# Altium PCB CL-HC-M-V2.1.PcbDoc (part 15 of 19)
Units mil, origin at the board's own origin, x right, y up, seen from the top; angles counter-clockwise.
Board outline 27559.06 x 27559.06 mil, 2 copper layers (TopLayer, BottomLayer); 704 components, 528 nets, 2453 pads, 1851 vias.
Unrouted connection lines stored in the file: 126.
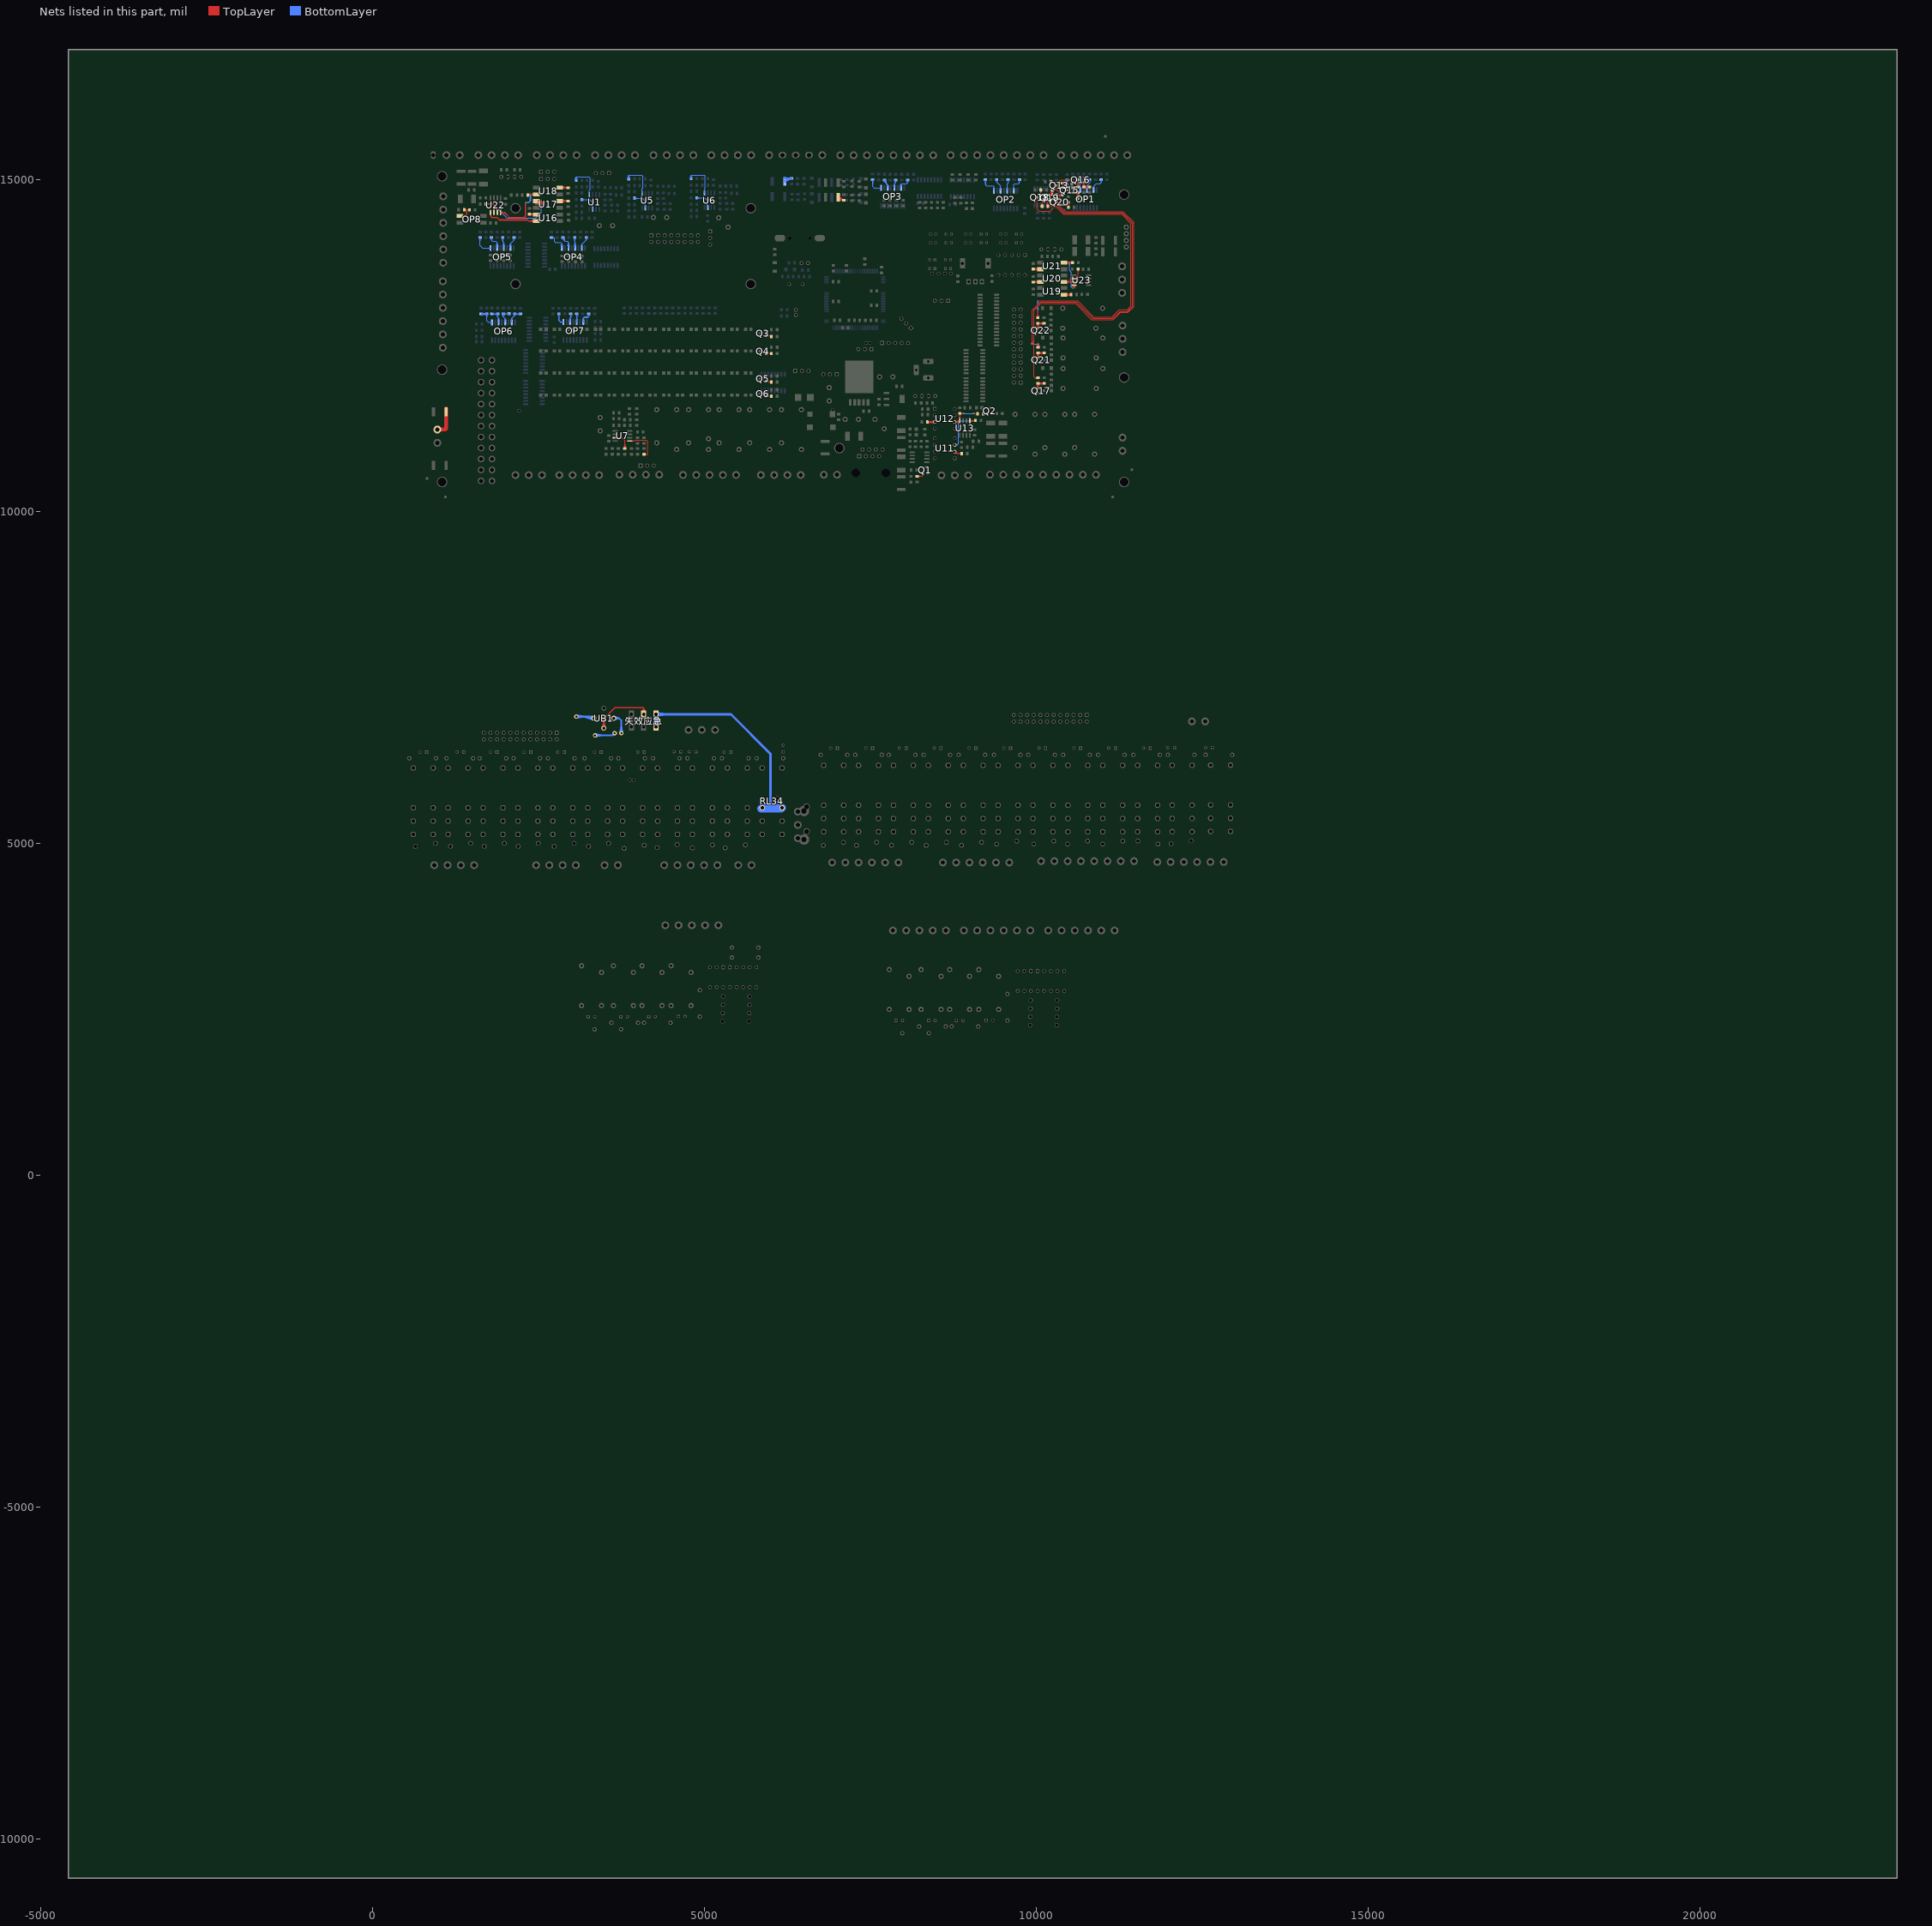
[diagram p15: the nets of this part, all layers, seen from the top]

## Via types
v1: diameter 25, hole 15, TopLayer to BottomLayer, tented both sides, 1813 vias
v2: diameter 20, hole 12, TopLayer to BottomLayer, tented both sides, 24 vias
v3: diameter 25, hole 15, TopLayer to BottomLayer, 13 vias
v4: diameter 40, hole 24, TopLayer to BottomLayer, tented both sides, 1 vias

## Nets (pads, with @x,y where several pads share a name; then routed paths per layer and width w, separated by ;. In a path a pad name is that pad's centre, name@x,y a point inside that pad or via, vN(x,y) a via of type N, cw(c..) or ccw(c..) an arc to the next point about the centre after c; other vN are vias at no path point) (continued)
NetF5_2: F5.2 R8.2 | length 733.1
  TopLayer w20: F5.2@7012.22,14722.38 R8.2@7102.76,14693.71 ; F5.2@7017.25,14691.73 7042.38,14693.71 ; F5.2@7017.25,14735.04 R8.2@7102.76,14693.71 ; F5.2@7019.89,14705.09 7042.38,14693.71 ; F5.2@7021.2,14719.53 R8.2@7097.76,14690.04 ; F5.2@7021.95,14678.94 7042.38,14693.71 ; F5.2@7024.04,14746.85 R8.2@7102.76,14693.71 ; F5.2@7024.66,14731.45 R8.2@7097.76,14690.04 ; F5.2@7029.13,14743.41 R8.2@7097.76,14690.04 ; R8.2@7102.76,14690.04 R8.2@7102.76,14693.71 ; 7042.38,14693.71 R8.2@7102.76,14693.71 ; 7042.38,14693.71 R8.2@7097.76,14690.04
NetF6_2: F6.2 R9.2 | length 839.2
  BottomLayer w20: F6.2@6202.45,15019.91 R9.2@6313.23,15019.91 ; F6.2@6206.55,14986.61 R9.2@6308.23,15019.91 ; F6.2@6206.65,14986.65 R9.2@6310.6,15019.91 ; F6.2@6218.1,14961.99 R9.2@6310.6,15019.91 ; F6.2@6218.23,14962.06 R9.2@6308.23,15019.91 ; F6.2@6228.23,15019.91 R9.2@6308.23,15019.91 ; R9.2@6308.23,15019.91 F6.2@6211.61,14973.96 R9.2@6310.6,15019.91
NetF16_2: F16.2 P23.2 | length 649
  TopLayer w60: P23.2@977.49,11235.5 1097.02,11235.5 1110.76,11249.24 F16.2@1110.76,11555.62 ; F16.2@1108.01,11460.11 1110.76,11256.47
NetOP1_1: OP1.1 R22.2 | length 463.9
  BottomLayer w15: R22.2@10454.14,14994.16 10463.86,14945.15 ; R22.2@10478.9,14992.79 10463.86,14945.15 ; OP1.1@10563.86,14843.5 10563.86,14895.66 ; 10463.86,14945.15 10498.96,14910.05 10549.47,14910.05 ; 10463.86,14945.15 10463.86,14998.5 R22.2@10466.61,14995.04 10463.86,14945.15 ; 10549.47,14910.05 10563.86,14895.66 ; 10549.47,14910.05 OP1.1@10563.86,14873.5 ; OP1.1@10563.86,14873.5 10563.86,14895.66 ; OP1.1@10563.86,14873.5 10563.86,14895.66
NetOP1_3: OP1.3 R20.2 | length 353.8
  BottomLayer w15: R20.2@10621.48,14996.79 10633.86,14952.81 ; R20.2@10646.24,14996.79 10633.86,14952.81 ; OP1.3@10663.86,14843.5 10663.86,14922.81 ; OP1.3@10663.86,14873.5 10663.86,14922.81 ; 10633.86,14952.81 10663.86,14922.81 ; 10633.86,14952.81 R20.2@10633.86,14998.5 10633.86,14952.81
NetOP1_5: OP1.5 R18.2 | length 354.4
  BottomLayer w15: OP1.5@10763.86,14843.5 10763.86,14908.5 ; OP1.5@10763.86,14873.5 10763.86,14908.5 ; R18.2@10792.31,14996.91 10804.71,14949.35 ; R18.2@10817.1,14996.91 10804.71,14949.35 ; 10763.86,14908.5 10804.71,14949.35 ; 10804.71,14949.35 R18.2@10804.71,14998.5 10804.71,14949.35
NetOP1_7: OP1.7 R10.2 | length 344.6
  BottomLayer w15: OP1.7@10863.86,14843.5 10863.86,14896.6 ; OP1.7@10863.86,14873.5 10863.86,14896.6 ; R10.2@10966.49,14996.68 10978.86,14955.49 ; R10.2@10978.86,14998.5 10978.86,14955.49 ; R10.2@10991.23,14996.68 10978.86,14955.49 ; 10863.86,14896.6 10905.95,14938.69 10962.07,14938.69 10978.86,14955.49
NetOP2_1: OP2.1 R30.2 | length 494.2
  BottomLayer w15: R30.2@9222.4,14997.3 9234.85,14933.5 ; R30.2@9247.29,14997.3 9234.85,14933.5 ; OP2.1@9362.76,14865.04 9364.85,14895.66 ; OP2.1@9364.85,14843.5 9364.85,14895.66 ; 9234.85,14933.5 R30.2@9234.85,14998.5 9234.85,14923.79 9248.59,14910.05 9350.46,14910.05 9364.85,14895.66
NetOP2_3: OP2.3 R28.2 | length 322.9
  BottomLayer w15: R28.2@9392.55,14996.25 9404.85,14963.75 ; R28.2@9417.14,14996.25 9404.85,14963.75 ; OP2.3@9462.76,14865.04 9464.85,14903.76 ; OP2.3@9464.85,14843.5 9464.85,14903.76 ; 9404.85,14963.75 R28.2@9404.85,14998.5 9404.85,14963.75 ; 9404.85,14963.75 9464.85,14903.76
NetOP2_5: OP2.5 R26.2 | length 317.9
  BottomLayer w15: OP2.5@9562.76,14865.04 9564.85,14925.06 ; R26.2@9563.29,14996.91 9575.69,14949.35 ; OP2.5@9564.85,14843.5 9564.85,14938.5 9575.69,14949.35 ; R26.2@9575.69,14998.5 9575.69,14949.35 ; R26.2@9588.09,14996.91 9575.69,14949.35
NetOP2_7: OP2.7 R24.2 | length 369.2
  BottomLayer w15: OP2.7@9662.76,14865.04 9664.85,14925.05 ; OP2.7@9664.85,14843.5 9664.85,14926.6 9676.94,14938.69 9733.05,14938.69 9749.85,14955.49 ; R24.2@9737.48,14996.68 9749.85,14955.49 ; R24.2@9749.85,14998.5 9749.85,14955.49 ; R24.2@9762.21,14996.68 9749.85,14955.49
NetOP3_1: OP3.1 R15.2 | length 365.2
  BottomLayer w15: R15.2@7523.19,14997.58 7535.63,14933.78 R15.2@7548.07,14997.58 ; R15.2@7535.63,14998.78 7535.63,14899.56 7557.95,14877.24 OP3.1@7662.38,14877.24
NetOP3_3: OP3.3 R37.2 | length 647.3
  BottomLayer w10: R37.2@7704.98,14988.19 7740.73,14943.58 ; R37.2@7717.81,14995.95 7740.73,14943.58 ; R37.2@7732.22,15000.11 7740.73,14943.58 ; OP3.3@7753.81,14902.09 7725.57,14958.74 ; OP3.3@7762.38,14877.24 7762.38,14921.94 7712.81,14971.5 ; OP3.3@7762.38,14907.24 7725.57,14958.74 ; OP3.3@7770.03,14913.68 7725.57,14958.74 ; 7712.81,14971.5 R37.2@7712.81,14995.95 ; 7712.81,14971.5 7727.09,14991.35 7712.81,14971.5 ; 7712.81,14971.5 7698.53,14991.35 7712.81,14971.5 ; 7712.81,14971.5 R37.2@7712.81,14995.95 ; 7712.81,14971.5 R37.2@7712.81,14995.95
NetOP3_5: OP3.5 R34.2 | length 332
  BottomLayer w10: OP3.5@7852.6,14909.35 7862.38,14930.97 ; OP3.5@7862.38,14877.24 7862.38,14930.97 ; OP3.5@7862.38,14907.24 7862.38,14930.97 ; R34.2@7868.02,14993.43 7882.81,14951.41 ; OP3.5@7872.15,14909.35 7862.38,14930.97 ; R34.2@7897.6,14993.43 7882.81,14951.41 ; 7862.38,14930.97 7882.81,14951.41 ; 7882.81,14951.41 R34.2@7882.81,14995.95 7882.81,14951.41
NetOP3_7: OP3.7 R32.2 | length 356
  BottomLayer w10: OP3.7@7952.61,14909.38 7962.38,14930.61 ; OP3.7@7962.38,14877.24 7962.38,14930.61 ; OP3.7@7962.38,14907.24 7962.38,14930.61 ; OP3.7@7972.14,14909.38 7962.38,14930.61 ; R32.2@8048.07,14993.18 8062.81,14955.33 ; R32.2@8062.81,14995.95 8062.81,14955.33 ; R32.2@8077.55,14993.18 8062.81,14955.33 ; 7962.38,14930.61 7971.32,14939.56 8047.04,14939.56 8062.81,14955.33
NetOP4_1: OP4.1 R53.2 | length 506.7
  BottomLayer w10: R53.2@2697.38,14128.36 2737.12,14128.36 ; R53.2@2702.38,14128.36 2737.12,14128.36 ; R53.2@2705.61,14113.71 2737.12,14128.36 ; R53.2@2705.61,14143 2737.12,14128.36 ; OP4.1@2842.85,14001.39 2852.76,14037.11 ; OP4.1@2852.76,13970.04 2852.76,14037.11 ; OP4.1@2852.76,14000.04 2852.76,14037.11 ; OP4.1@2862.67,14001.39 2852.76,14037.11 ; 2737.12,14128.36 2743.96,14121.51 2743.96,14068.57 2755.98,14056.55 2833.32,14056.55 2852.76,14037.11
NetOP4_3: OP4.3 R55.2 | length 664.3
  BottomLayer w10: R55.2@2859.46,14120.73 2893.86,14077.23 ; R55.2@2872.38,14128.36 2893.86,14077.23 ; R55.2@2886.86,14132.25 2893.86,14077.23 ; OP4.3@2942.82,14001.15 2952.76,14045.04 ; OP4.3@2952.76,13970.04 2952.76,14054.79 2936.17,14071.39 2899.7,14071.39 2867.38,14103.71 ; OP4.3@2952.76,14000.04 2952.76,14045.04 ; OP4.3@2962.7,14001.15 2952.76,14045.04 ; 2867.38,14103.71 R55.2@2867.38,14128.36 ; 2867.38,14103.71 2881.66,14123.79 2867.38,14103.71 ; 2867.38,14103.71 2853.09,14123.79 2867.38,14103.71 ; 2867.38,14103.71 R55.2@2867.38,14128.36 ; 2867.38,14103.71 R55.2@2867.38,14128.36
NetOP4_5: OP4.5 R17.2 | length 395.5
  BottomLayer w10: R17.2@3032.54,14126.11 3047.38,14078.36 R17.2@3062.21,14126.11 ; OP4.5@3042.82,14001.15 3052.76,14045.04 ; R17.2@3047.38,14128.36 3047.38,14061.91 3052.76,14056.52 OP4.5@3052.76,13970.04 ; OP4.5@3052.76,14000.04 3052.76,14045.04 ; OP4.5@3062.7,14001.15 3052.76,14045.04
NetOP4_7: OP4.7 R16.2 | length 328.9
  BottomLayer w10: OP4.7@3142.97,14002.09 3152.76,14024.4 ; OP4.7@3152.76,13970.04 3152.76,14024.4 ; OP4.7@3152.76,14000.04 3152.76,14024.4 ; OP4.7@3162.55,14002.09 3152.76,14024.4 ; R16.2@3207.74,14125.08 3222.38,14094.01 ; R16.2@3222.38,14128.36 3222.38,14094.01 ; R16.2@3237.01,14125.08 3222.38,14094.01 ; 3152.76,14024.4 3222.38,14094.01
NetOP5_1: OP5.1 R57.2 | length 532.3
  BottomLayer w10: R57.2@1607.54,14126.11 1622.38,14078.36 ; R57.2@1637.21,14126.11 1622.38,14078.36 ; OP5.1@1776.65,13960.1 1732.76,13970.04 OP5.1@1776.65,13979.98 ; OP5.1@1777.76,13970.04 1658.98,13970.04 1622.38,14006.64 R57.2@1622.38,14128.36 1622.38,14078.36
NetOP5_3: OP5.3 R65.2 | length 451.4
  BottomLayer w10: R65.2@1777.58,14127.11 1792.38,14083.74 ; R65.2@1792.38,14129.57 1792.38,14083.74 ; R65.2@1807.17,14127.11 1792.38,14083.74 ; OP5.3@1867.82,14001.15 1877.76,14045.04 ; OP5.3@1877.76,13970.04 1877.76,14049.38 1855.75,14071.39 1804.73,14071.39 1792.38,14083.74 ; OP5.3@1877.76,14000.04 1877.76,14045.04 ; OP5.3@1887.7,14001.15 1877.76,14045.04
NetOP5_5: OP5.5 R73.2 | length 399.7
  BottomLayer w10: R73.2@1947.54,14126.11 1962.38,14078.36 R73.2@1977.21,14126.11 ; R73.2@1962.38,14128.36 1962.38,14071.91 1977.76,14056.52 OP5.5@1977.76,13970.04 ; OP5.5@1967.82,14001.15 1977.76,14045.04 ; OP5.5@1977.76,14000.04 1977.76,14045.04 ; OP5.5@1987.7,14001.15 1977.76,14045.04
NetOP5_7: OP5.7 R79.2 | length 363.2
  BottomLayer w10: OP5.7@2067.86,14001.47 2077.76,14034.89 ; OP5.7@2077.76,13970.04 2077.76,14034.89 ; OP5.7@2077.76,14000.04 2077.76,14034.89 ; OP5.7@2087.66,14001.47 2077.76,14034.89 ; R79.2@2117.66,14125.46 2132.38,14089.5 ; R79.2@2132.38,14128.36 2132.38,14089.5 ; R79.2@2147.09,14125.46 2132.38,14089.5 ; 2077.76,14034.89 2132.38,14089.5
NetOP6_1: OP6.1 R144.2 R154.1@1721.9,12980.24 | length 1503.3
  BottomLayer w10: R144.2@1636.9,12980.24 R154.1@1721.9,12980.24 1721.9,12873.86 1745.6,12850.16 OP6.1@1799.37,12850.16 1754.37,12850.16 ; R144.2@1641.66,12965.24 1693.67,12971.93 ; R144.2@1641.66,12995.24 1693.67,12988.56 ; R154.1@1707.06,12977.99 1721.9,12930.24 R154.1@1736.73,12977.99 ; R154.1@1714.65,12965.41 1666.9,12980.24 ; R154.1@1714.65,12995.07 1666.9,12980.24 ; R154.1@1716.9,12980.24 1666.9,12980.24 ; OP6.1@1798.26,12840.22 1754.37,12850.16 ; OP6.1@1798.26,12860.09 1754.37,12850.16 ; R144.2@1641.9,12980.24 1693.67,12971.93 ; R144.2@1641.9,12980.24 1666.9,12980.24 ; R144.2@1641.9,12980.24 1693.67,12988.56 ; R144.2@1641.9,12980.24 1666.9,12980.24 ; R144.2@1641.9,12980.24 1691.9,12980.24 ; R144.2@1641.9,12980.24 1666.9,12980.24 ; R144.2@1641.9,12980.24 1691.9,12980.24 ; R144.2@1646.4,12965.93 1666.9,12980.24 ; R144.2@1646.37,12965.92 1693.67,12988.56 ; R144.2@1646.4,12965.93 1666.9,12980.24 ; R144.2@1646.4,12965.93 1666.9,12980.24 ; R144.2@1646.37,12994.56 1693.67,12971.93 ; R144.2@1646.4,12994.55 1666.9,12980.24 ; R144.2@1646.4,12994.55 1666.9,12980.24 ; R144.2@1646.4,12994.55 1666.9,12980.24 ; 1691.9,12980.24 1644.15,12995.07 1691.9,12980.24 ; 1691.9,12980.24 1644.15,12965.41 1691.9,12980.24
NetOP6_3: OP6.3 R145.2 R155.1@1799.26,12980.36 | length 732.8
  BottomLayer w10: R155.1@1799.26,12980.36 R145.2@1886.9,12980.36 1886.9,12929.22 1899.37,12916.75 ; R155.1@1804.26,12980.36 1854.26,12980.36 ; R155.1@1806.51,12965.53 1854.26,12980.36 ; R155.1@1806.51,12995.19 1854.26,12980.36 ; R145.2@1872.06,12978.11 1886.9,12930.36 R145.2@1901.73,12978.11 ; R145.2@1879.65,12965.53 1831.9,12980.36 ; R145.2@1879.65,12995.19 1831.9,12980.36 ; R145.2@1881.9,12980.36 1831.9,12980.36 ; OP6.3@1889.46,12881.52 1899.37,12916.75 ; OP6.3@1899.37,12850.16 1899.37,12916.75 ; OP6.3@1899.37,12880.16 1899.37,12916.75 ; OP6.3@1909.28,12881.52 1899.37,12916.75
NetOP6_5: OP6.5 R146.2 R156.1@1970.4,12980.36 | length 698.2
  BottomLayer w10: R156.1@1955.61,12977.84 1970.4,12935.72 ; R156.1@1975.4,12980.36 2025.4,12980.36 ; R156.1@1977.65,12965.53 2025.4,12980.36 ; R156.1@1977.65,12995.19 2025.4,12980.36 ; R156.1@1985.18,12977.84 1970.4,12935.72 ; OP6.5@1989.55,12882.04 1999.37,12906.75 ; OP6.5@1999.37,12850.16 1999.37,12906.75 ; OP6.5@1999.37,12880.16 1999.37,12906.75 ; OP6.5@2009.19,12882.04 1999.37,12906.75 ; R146.2@2049.35,12996.15 2001.88,12980.36 ; R146.2@2049.95,12966.49 2001.88,12980.36 ; R146.2@2051.9,12981.37 2001.88,12980.36 ; R146.2@2056.9,12981.37 2055.89,12980.36 R156.1@1970.4,12980.36 1970.4,12935.72 ; 1970.4,12935.72 1999.37,12906.75
NetOP6_7: OP6.7 R147.2@2227.76,12980.04 R157.1@2142.5,12980.24 | length 681.1
  BottomLayer w10: OP6.7@2089.51,12881.81 2099.37,12910.45 ; OP6.7@2099.37,12850.16 2099.37,12910.45 ; OP6.7@2099.37,12880.16 2099.37,12910.45 ; OP6.7@2109.23,12881.81 2099.37,12910.45 ; R157.1@2128.11,12976.02 2142.5,12953.58 ; R157.1@2147.5,12980.24 2197.5,12980.24 ; R157.1@2149.75,12965.41 2197.5,12980.24 ; R157.1@2149.75,12995.07 2197.5,12980.24 ; R157.1@2156.9,12976.02 2142.5,12953.58 ; R147.2@2220.45,12965.22 2172.76,12980.24 ; R147.2@2220.57,12994.88 2172.76,12980.24 ; R147.2@2222.76,12980.04 2172.76,12980.24 ; R147.2@2227.76,12980.04 2229.59,12980.24 R157.1@2142.5,12980.24 2142.5,12953.58 ; 2099.37,12910.45 2142.5,12953.58
NetOP7_1: OP7.1 R71.2 | length 304.1
  BottomLayer w20: 2807.76,12900.04 R71.2@2807.76,12980.04 2807.76,12879.95 2832.62,12855.09 ; 2832.62,12855.09 OP7.1@2877.06,12855.09 2832.62,12855.09
NetOP7_3: OP7.3 R70.2 | length 213.6
  BottomLayer w20: OP7.3@2977.06,12855.09 2977.06,12912.26 ; OP7.3@2977.06,12885.09 2977.06,12912.26 ; 2977.06,12912.26 2987.76,12922.96 ; 2987.76,12922.96 R70.2@2987.76,12980.04 2987.76,12922.96
NetOP7_5: OP7.5 R69.2 | length 360.8
  BottomLayer w20: OP7.5@3077.06,12855.09 3077.06,12979.34 R69.2@3077.76,12980.04 ; OP7.5@3077.06,12885.09 R69.2@3077.06,12960.09 ; OP7.5@3077.06,12899.54 R69.2@3077.76,12980.04 ; OP7.5@3077.06,12900.03 R69.2@3077.76,12980.04
NetOP7_7: OP7.7 R68.2 | length 259.8
  BottomLayer w20: OP7.7@3177.06,12855.09 3177.06,12915.7 ; OP7.7@3177.06,12885.09 3177.06,12915.7 ; 3177.06,12915.7 3188.2,12926.84 3243.18,12926.84 3257.76,12941.42 ; 3257.76,12941.42 R68.2@3257.76,12980.04 3257.76,12941.42
NetOP8_1: OP8.1 R143.2 R153.1@1381.07,14546.26 | length 511.1
  TopLayer w20: OP8.1@1316.4,14453.86 1405.55,14453.86 ; OP8.1@1336.08,14453.86 1405.55,14453.86 ; OP8.1@1338.82,14434.53 1405.55,14453.86 ; OP8.1@1338.82,14473.2 1405.55,14453.86 ; R143.2@1458.68,14545.33 1419.4,14545.33 ; 1405.55,14453.86 1419.4,14467.71 1419.4,14545.33 ; 1419.4,14545.33 1381.99,14545.33 R153.1@1381.07,14546.26 1419.4,14545.33
NetQ1_2: Q1.2 R158.2@8206.96,10531.03 | length 421.9
  TopLayer w15: R158.2@8206.96,10531.03 8282.11,10531.03 8289.97,10538.9 ; R158.2@8211.96,10531.03 8276.96,10531.03 ; R158.2@8213.16,10518.59 8276.96,10531.03 ; R158.2@8213.16,10543.47 8276.96,10531.03 ; Q1.2@8279.87,10572.32 8289.97,10538.9 ; Q1.2@8289.97,10573.82 8289.97,10538.9 ; Q1.2@8289.97,10574.8 8289.97,10538.9 ; Q1.2@8300.08,10572.32 8289.97,10538.9
NetQ2_2: Q2.2 R163.1@9201.04,11471.14 | length 62.6
  TopLayer w20: R163.1@9201.04,11471.14 Q2.2@9263.64,11471.14
NetQ3_2: Q3.2 R208.1 | length 321.5
  TopLayer w20: R208.1@6011.13,12635.98 R208.1@5999.07,12648.05 ; R208.1@5999.07,12648.05 Q3.2@5928.65,12648.05 6011.13,12640.98 5929.63,12648.05 R208.1@5999.07,12648.05
NetQ4_2: Q4.2 R210.1 | length 241.6
  TopLayer w20: Q4.2@5928.65,12378.05 5931.58,12380.98 R210.1@6011.13,12380.98 Q4.2@5931.17,12378.1 ; Q4.2@5929.63,12378.05 R210.1@6007.51,12380.98
NetQ5_2: Q5.2 R212.1 | length 118.7
  TopLayer w20: Q5.2@5928.65,11963.05 5960.85,11963.05 ; Q5.2@5929.63,11963.05 5960.85,11963.05 ; R212.1@6011.13,11950.98 5972.91,11950.98 5960.85,11963.05
NetQ6_2: Q6.2 R214.1 | length 314.9
  TopLayer w20: Q6.2@5928.65,11738.05 5930.72,11735.98 6006.13,11735.98 Q6.2@5929.63,11738.05 ; Q6.2@5931.13,11735.98 R214.1@6011.13,11735.98 Q6.2@5931.15,11738.01
NetQ13_1: Q13.1 R260.2 | length 5867.6
  TopLayer w10: R260.2@10020.87,12000.53 9973.38,12015.36 ; R260.2@10020.87,12030.19 9973.38,12015.36 ; R260.2@10023.13,12015.36 9973.38,12015.36 ; R260.2@10028.13,12015.36 9973.38,12015.36 ; Q13.1@10286,14910.91 10298.61,14864.89 Q13.1@10311.21,14910.91 ; Q13.1@10298.61,14912.6 10298.61,14855.09 10358.67,14795.02 10358.67,14589.59 10429.91,14518.36 11306.07,14518.36 11469.08,14355.35 11469.08,13087.33 11380.26,12998.5 11269.72,12998.5 11164.72,12893.5 10831.19,12893.5 10590.33,13134.36 10068.66,13134.36 9966.38,13032.07 9966.38,12022.36 9973.38,12015.36
NetQ13_2: Q13.2 R257.2 R261.1 | length 809.3
  TopLayer w15: R261.1@10224.57,14966.99 10344.92,14966.99 10347.18,14964.73 ; R261.1@10225.78,14954.55 10289.57,14966.99 R261.1@10225.78,14979.43 ; Q13.2@10388.52,14865.11 10357.95,14875.2 ; Q13.2@10388.52,14885.29 10357.95,14875.2 ; Q13.2@10390.14,14875.2 10357.95,14875.2 ; Q13.2@10391.12,14875.2 10357.95,14875.2 ; R257.2@10527.02,14958.04 10539.2,14982.76 ; R257.2@10539.2,14950.21 10539.2,14982.76 ; R257.2@10539.2,14955.21 10539.2,14982.76 ; R257.2@10551.37,14958.04 10539.2,14982.76 ; 10347.18,14964.73 10347.18,14973.34 10371.48,14997.64 10524.31,14997.64 10539.2,14982.76 ; 10347.18,14964.73 10347.18,14885.98 10357.95,14875.2
NetQ13_3: Q13.3 Q15.1 R257.1 | length 1422.2
  TopLayer w15: R257.1@10441.77,14943.86 10454.94,14880.2 ; Q15.1@10444.75,14842.7 10454.94,14904.58 Q15.1@10465.12,14842.7 ; R257.1@10451.84,14957.48 Q13.3@10392.95,14939.82 ; R257.1@10451.92,14942.91 Q13.3@10392.95,14960.19 ; R257.1@10452.9,14962.64 Q13.3@10392.11,14950.01 ; R257.1@10452.92,14962.64 Q13.3@10391.13,14950.01 ; R257.1@10453.94,14967.7 Q13.3@10392.95,14960.19 ; R257.1@10454.02,14932.71 Q13.3@10392.95,14939.82 ; R257.1@10454.2,14955.21 Q13.3@10392.95,14960.19 ; Q15.1@10454.94,14841.87 10454.94,14949.46 R257.1@10454.2,14950.21 ; R257.1@10466.65,14944.15 10454.94,14880.2 ; Q13.3@10391.13,14950.01 R257.1@10454,14950.01 ; Q13.3@10391.13,14950.01 10453,14937.76 Q13.3@10392.11,14950.01 ; Q13.3@10391.13,14950.01 R257.1@10454.2,14950.21 ; Q13.3@10392.11,14950.01 R257.1@10454,14950.01 ; Q13.3@10392.11,14950.01 R257.1@10454.2,14950.21 ; Q13.3@10392.95,14939.82 R257.1@10454,14950.01 ; Q13.3@10392.95,14939.82 10454.2,14945.21 10454.94,14880.2 ; Q13.3@10392.95,14960.19 R257.1@10454,14950.01 ; R257.1@10454,14950.01 R257.1@10454.2,14950.21
NetQ15_2: Q15.2 R258.2 R262.1 | length 1838.1
  TopLayer w15: Q15.2@10547.46,14804.47 R258.2@10627.16,14804.47 10627.16,14719.97 R262.1@10625.95,14718.75 ; Q15.2@10547.57,14794.29 R258.2@10610.69,14794.03 ; Q15.2@10547.57,14814.65 R258.2@10610.69,14814.91 ; Q15.2@10550.94,14794.56 R258.2@10610.69,14814.91 ; Q15.2@10550.94,14814.37 R258.2@10610.69,14794.03 ; R262.1@10613.45,14723.31 R258.2@10617.35,14789.76 ; R262.1@10613.53,14725.19 R258.2@10627.16,14788.77 ; R262.1@10613.87,14726.97 R258.2@10636.76,14788.67 ; R258.2@10614.72,14803.26 10627.16,14739.47 R258.2@10639.6,14803.26 ; R258.2@10620.96,14792.02 Q15.2@10557.16,14804.47 ; R258.2@10620.96,14816.91 Q15.2@10557.16,14804.47 ; R258.2@10622.16,14804.47 Q15.2@10557.16,14804.47 ; R262.1@10638.14,14726.52 R258.2@10617.35,14789.76 ; R262.1@10638.42,14722.88 R258.2@10636.76,14788.67 ; R262.1@10638.41,14724.72 R258.2@10627.16,14788.77 ; Q15.2@10548.44,14804.47 R258.2@10611.16,14804.47 ; Q15.2@10548.44,14804.47 R258.2@10610.69,14814.91 ; Q15.2@10548.44,14804.47 R258.2@10611.16,14804.47 ; Q15.2@10548.44,14804.47 R258.2@10610.69,14794.03 ; R258.2@10611.16,14804.47 10549.27,14814.65 R258.2@10611.16,14804.47 ; R258.2@10611.16,14804.47 10549.27,14794.28 R258.2@10611.16,14804.47 ; R258.2@10617.35,14789.76 R262.1@10625.95,14723.75 ; R262.1@10625.95,14723.75 R258.2@10627.16,14788.77 ; R262.1@10625.95,14723.75 R258.2@10636.76,14788.67
NetQ15_3: Q15.3 Q16.1 R258.1 | length 697.4
  TopLayer w15: Q15.3@10547.46,14879.27 10581.1,14879.27 ; Q15.3@10548.44,14879.27 10581.1,14879.27 ; Q15.3@10550.04,14869.18 10581.1,14879.27 ; Q15.3@10550.04,14889.36 10581.1,14879.27 ; R258.1@10614.68,14890.23 10624.86,14954.56 ; Q16.1@10614.68,14997.68 10624.86,14935.79 Q16.1@10635.05,14997.68 ; R258.1@10618.46,14877.52 10593.59,14891.76 ; R258.1@10620.42,14901.84 10593.59,14891.76 ; R258.1@10622.16,14889.47 10593.59,14891.76 ; Q16.1@10624.86,14998.51 R258.1@10624.86,14891.76 ; R258.1@10639.55,14891.1 10624.86,14954.56 ; 10581.1,14879.27 10593.59,14891.76 ; 10593.59,14891.76 R258.1@10624.86,14891.76 ; R258.1@10624.86,14891.76 R258.1@10627.16,14889.47 10624.86,14954.56